# Altium PCB 891-萱250721-1.pcbdoc (part 5 of 5)
Units mil, origin at the board's own origin, x right, y up, seen from the top; angles counter-clockwise.
Board outline 6501 x 4678 mil, 4 copper layers (TopLayer, MidLayer1, MidLayer2, BottomLayer); 362 components, 337 nets, 1348 pads, 1372 vias.
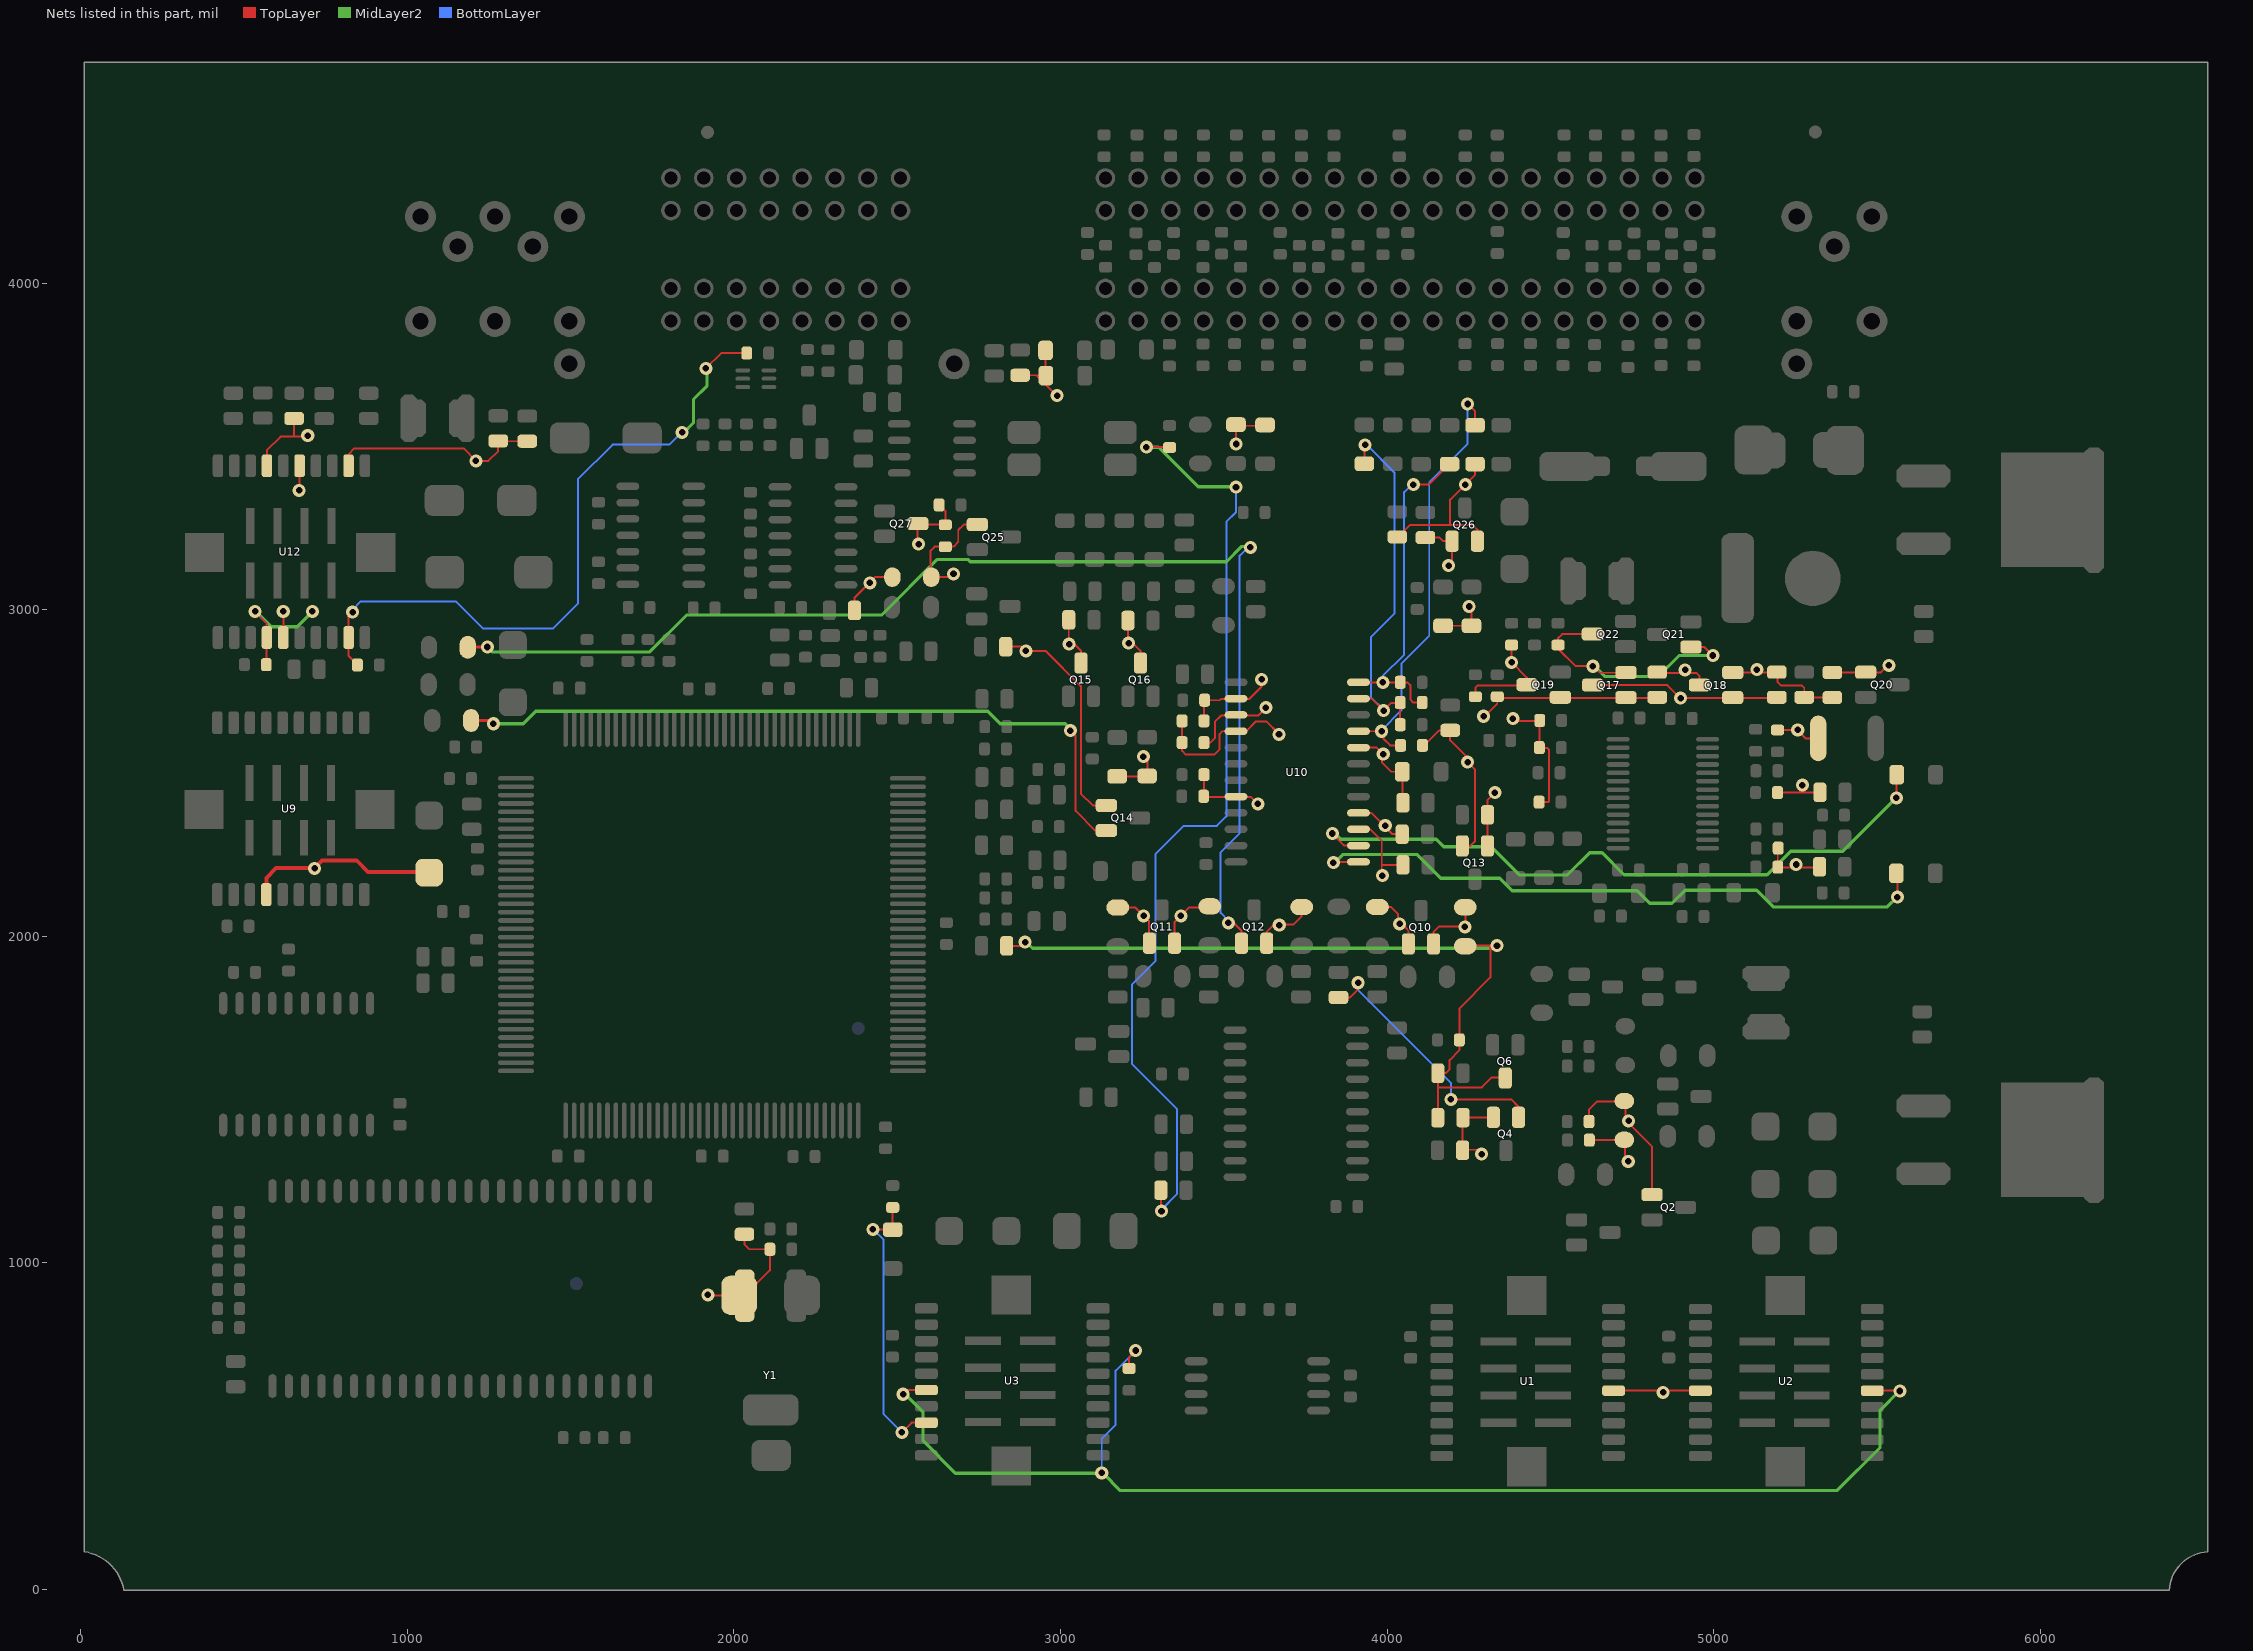
[diagram p7: the nets of this part, all layers, seen from the top]

## Via types
v1: diameter 40, hole 20, TopLayer to BottomLayer, 1372 vias

## Nets (pads, with @x,y where several pads share a name; then routed paths per layer and width w, separated by ;. In a path a pad name is that pad's centre, name@x,y a point inside that pad or via, vN(x,y) a via of type N, cw(c..) or ccw(c..) an arc to the next point about the centre after c; other vN are vias at no path point) (continued)
NewNet238: D5.2 R19.1 | length 178.1
  TopLayer w6: R19.1@4619,1376 4728,1376 4728,1321 v1(4738,1311)
NewNet239: D5.1 Q2.1 R21.1 | length 484
  TopLayer w6: R21.1@4618,1433 4618,1470 4643,1495 4733,1495 4729,1491 4729,1438 4811,1356 Q2.1@4811,1209
  other v1: 4739,1435
NewNet240: D9.2 R83.1 | length 135.9
  TopLayer w6: R83.1@5195,2632 5255.12,2632 5281.24,2605.88 5319.88,2605.88 D9.2@5320,2606
  other v1: 5257.08,2632.13
NewNet241: R9.2 R10.2 Y1.2 | length 402.9
  TopLayer w6: v1(1920,902) 1922,900 Y1.2@2033,900 2110,977 R9.2@2110,1042 2047,1042 2032,1057 R10.2@2032,1088
NewNet242: C74.1 Q26.2 R138.2 | length 519.7
  TopLayer w6: C74.1@4031,3223 4033.57,3223 4070.41,3259.84 4261.87,3259.84 4276,3245.71 Q26.2@4276,3210 ; 4192.91,3259.63 4192.91,3337.55 4269,3413.64 R138.2@4269,3446
  other v1: 4239.16,3383.38
NewNet243: C45.2 R138.1 U10.9 | length 1341.6
  TopLayer w6: U10.9@3912,2628 v1(3983,2628) 3988.33,2622.67 3988.33,2605.88 4009.21,2585 C45.2@4041,2585 ; v1@4246.66,3629.63 4269,3607.29 R138.1@4269,3565
  BottomLayer w6: v1(3983,2628) 3983,2631.8 4043.33,2692.13 4043.33,2835.05 4128.74,2920.46 4128.74,3390.88 4246.24,3508.38 v1(4246.24,3630.05)
NewNet244: C52.1 C59.2 R137.2 U10.12 | length 1030.3
  TopLayer w6: U10.12@3912,2778 4062.04,2778 4070.83,2769.21 4070.83,2725.46 4080.29,2716 C52.1@4107,2716 ; v1(4079.99,3382.96) 4126.66,3382.96 4189.7,3446 R137.2@4191,3446
  BottomLayer w6: v1(3987.08,2777.55) 3987.08,2797.55 4052.08,2862.55 4052.08,3360.05 4074.99,3382.96 v1(4079.99,3382.96)
NewNet245: C48.2 C52.2 R141.2 U10.11 | length 1178.1
  TopLayer w6: U10.11@3912,2728 3952,2728 v1(3989,2691) 3989,2691.55 4012.08,2714.63 4038.63,2714.63 4038.74,2714.52 4038.74,2649.26 C48.2@4040,2648 ; R141.2@3930,3447 3930.41,3447.41 3930.41,3502.55 v1(3932.49,3504.63)
  BottomLayer w6: v1(3932.49,3504.63) 3937.08,3504.63 4022.91,3418.8 4022.91,2989.21 3949.99,2916.3 3949.99,2732.55 3989,2693.54 v1(3989,2691)
NewNet246: R140.1 R143.1 | length 143.9
  TopLayer w6: v1@3537.7,3505.05 3537.7,3556.92 3544.16,3563.38 3623.38,3563.38 R140.1@3626,3566
  other v1: 3537.49,3507.55
NewNet247: C80.1 R148.1 U12.2 | length 651.6
  TopLayer w6: U12.2@820,3441 820,3476 838,3494 1172,3494 v1(1210,3456) 1248,3456 1278,3486 C80.1@1278,3517 ; C80.1@1275,3516 R148.1@1367,3516
NewNet248: C84.1 U12.7 | length 245.6
  TopLayer w6: U12.7@570,3441 570,3488 612,3530 692,3530 v1(695,3533) ; 653,3531 C84.1@653,3586
NewNet249: R98.1 R157.1 U12.19 | length 2087.3
  TopLayer w6: v1(832,2993) 819,2980 819,2860 847,2832 R98.1@847,2831 ; v1(1913.74,3738.8) 1960.95,3786 R157.1@2039,3786
  MidLayer2 w10: v1@1846,3538 1846,3542 1876,3572 1876,3644 1917,3685 v1@1917,3739
  BottomLayer w6: v1(832,2993) 832,2999.97 857.91,3025.88 1147.91,3025.88 1230.83,2942.96 1446.66,2942.96 1522.08,3018.38 1522.08,3399.21 1628.33,3505.46 1801.66,3505.46 1839.58,3543.38 v1(1841.24,3543.38)
NewNet250: D11.2 R113.1 | length 181.8
  TopLayer w6: R113.1@2369,2998 2369,3036.97 2432.91,3100.88 2484.12,3100.88 D11.2@2485,3100
  other v1: 2415.83,3082.13
NewNet251: D11.1 Q25.1 R128.2 | length 350.6
  TopLayer w6: v1(2672.08,3109.63) 2662.91,3100.46 2604.46,3100.46 2602.08,3102.85 2602.08,3181.3 2614.16,3193.38 2672.49,3193.38 2686.66,3207.55 2686.66,3244.21 2703.45,3261 Q25.1@2745,3261
NewNet252: D8.2 U9.14 | length 587.3
  TopLayer w12: U9.14@568,2128 568,2179 598,2209 715,2209 738,2232 845,2232 880,2197 1065,2197 D8.2@1067,2195
  other v1: 716,2208
NewNet253: Q12.1 R102.1 | length 3840.6
  TopLayer w6: v1(3514,2041) 3529.46,2041 3554,2016.46 Q12.1@3554,1979
  TopLayer w10: R102.1@1183.03,2886 v1(1245,2886)
  MidLayer2 w10: v1(1245,2886) 1260,2871 1742,2871 1855,2984 2453,2984 2623,3154 2716,3154 2723,3147 3508,3147 3555,3194 v1@3588,3194
  BottomLayer w6: v1(3514,2041) 3514,2047.71 3489.99,2071.71 3489.99,2257.13 3548.33,2315.46 3548.33,3165.46 3574.16,3191.3 v1(3581.24,3191.3)
NewNet254: Q14.2 R87.1 | length 2258.6
  TopLayer w6: v1(3030,2630) 3045.83,2614.17 3045.83,2384.21 3106.04,2324 Q14.2@3140,2324
  TopLayer w10: R87.1@1195,2661 1253,2661 v1(1263,2651)
  MidLayer2 w10: v1(1263,2651) 1355,2651 1393,2689 2777,2689 2815,2651 3014,2651 v1@3037,2628
NewNet255: C10.1 R7.1 U3.18 | length 880.5
  TopLayer w6: v1(2425,1103) R7.1@2491,1103 ; R7.1@2486,1102 C10.1@2486,1170 ; v1(2514,481) 2544,511 U3.18@2589,511
  BottomLayer w6: v1(2425,1103) 2425.37,1103 2457.91,1070.46 2457.91,537.13 v1(2514,481)
NewNet256: Q17.3 Q18.1 R95.1 | length 581.5
  TopLayer w6: Q17.3@4629,2769.5 4858.04,2769.5 4897.91,2729.63 5190.63,2729.63 R95.1@5193,2732
  other v1: 4898.33,2729.21
NewNet257: C53.1 Q18.2 R93.1 R95.2 | length 380
  TopLayer w6: Q18.2@5058,2808 v1@5123,2808 ; v1(5132,2817) v1@5123,2808 ; C53.1@5277,2732 5277,2760.54 5269.58,2767.96 5206.24,2767.96 5194.58,2779.63 5194.58,2805.42 5192,2808 v1@5123,2808 ; C53.1@5278,2731 R93.1@5363,2731
NewNet258: Q18.3 R94.2 | length 161.8
  TopLayer w6: R94.2@4827,2809 4829.7,2806.3 4947.29,2806.3 4956,2797.58 Q18.3@4956,2769.5
  other v1: 4912,2816
NewNet259: Q27.3 R128.1 R134.2 | length 221.1
  TopLayer w6: v1(2565,3201) 2561.66,3204.34 2561.66,3256.3 2557.49,3260.46 2646.54,3260.46 R128.1@2647,3260 2647,3302 R134.2@2628,3321
NewNet260: Q26.1 R130.1 | length 165.5
  TopLayer w6: R130.1@4117,3221 4160.71,3221 4171.71,3210 Q26.1@4199,3210 4199,3146.14 v1(4188.33,3135.46)
NewNet261: Q17.1 Q19.1 R94.1 R96.1 | length 571.7
  TopLayer w6: v1(4295,2674) 4298.11,2674 4337,2712.89 R96.1@4337,2734 4340.95,2730.05 4825.05,2730.05 R94.1@4827,2732
NewNet262: C54.1 Q19.3 R104.1 | length 330.1
  TopLayer w6: C54.1@4270,2734 4270,2761.3 4277.49,2768.8 4426.3,2768.8 Q19.3@4428,2770.5 4428,2792.46 4381,2839.46 R104.1@4381,2892
  other v1: 4381,2839
NewNet263: Q17.2 Q21.1 Q22.3 R106.1 | length 860.2
  TopLayer w6: Q22.3@4628,2925.5 4535.45,2925.5 4523,2913.05 4523,2881.21 4576.24,2827.96 4629.99,2827.96 4650.83,2807.13 4730.13,2807.13 Q17.2@4731,2808 ; Q21.1@4930,2886 4971,2886 v1(4997,2860)
  MidLayer2 w10: v1@4635,2827 4666,2796 4830,2796 4894,2860 v1(4997,2860)
  other v1: 4630,2827
NewNet264: Q20.1 R93.2 | length 182.1
  TopLayer w6: R93.2@5363,2808 5511.7,2808 5533.7,2830 v1(5536,2830)
NewNet265: Q11.1 R45.1 | length 181
  TopLayer w6: R45.1@3174.99,2088.38 3228.62,2088.38 3270.41,2046.59 3270.41,1980.59 Q11.1@3272,1979
  other v1: 3254,2063
NewNet266: Q11.2 R50.2 | length 192.9
  TopLayer w6: Q11.2@3349,1979 3349,2044 3392.96,2087.96 3452.96,2087.96 R50.2@3457,2092
  other v1: 3368,2063
NewNet267: Q12.2 R47.2 | length 190
  TopLayer w6: Q12.2@3631,1979 3631,2013.55 3653.33,2035.88 3712.49,2035.88 3738,2061.39 R47.2@3738,2090
  other v1: 3669.58,2034.21
NewNet268: Q10.1 R48.2 | length 181.1
  TopLayer w6: R48.2@3970,2090 4010.87,2090 4033.74,2067.13 4033.74,2042.26 4047.62,2028.38 4055.83,2028.38 4065,2019.21 Q10.1@4065,1977
  other v1: 4038,2038
NewNet269: Q10.2 R46.2 | length 200.7
  TopLayer w6: Q10.2@4142,1977 4142,2013.72 4159.16,2030.88 v1@4236.12,2030.88 ; v1(4238,2029) v1@4236.12,2030.88 ; R46.2@4239,2089 4239.99,2088.01 4239.99,2034.75 v1@4236.12,2030.88
NewNet270: Q13.1 R70.1 | length 172.6
  TopLayer w6: Q13.1@4307,2277 4307,2417.05 v1(4329.99,2440.05)
NewNet271: C45.1 C47.2 Q13.2 | length 519.7
  TopLayer w6: C45.1@4108,2585 4112.86,2585 4158.86,2631 C47.2@4193,2631 4193,2599.96 4246.66,2546.3 4246.66,2532.96 4268.33,2511.3 4268.33,2290.46 4254.86,2277 Q13.2@4230,2277
  other v1: 4246.24,2533.38
NewNet272: C17.1 Q6.3 R22.2 R24.2 R44.1 R46.1 | length 2540.3
  TopLayer w6: R44.1@2835,1971 2880.11,1971 v1(2891.24,1982.13) ; R22.2@4155,1440.46 R24.2@4155,1581 4179.28,1581 4190.83,1592.55 4190.83,1621.3 4221,1651.47 4221,1778.97 4316.24,1874.21 4316.24,1969.21 v1@4318.74,1971.71 ; 4154.99,1537.55 4289.58,1537.55 4320.41,1568.38 4359.12,1568.38 Q6.3@4361.5,1566 ; R46.1@4240.71,1971.71 v1(4336.24,1971.71) R46.1@4240.71,1971.71
  MidLayer2 w10: v1@2895,1983 2914,1964 4332,1964 v1@4339,1971
NewNet273: Q4.1 R32.1 | length 814.2
  TopLayer w6: R32.1@3851,1813 3886.28,1813 3911,1837.72 v1(3911,1858) ; v1(4195,1501) 4379.87,1501 4402,1478.87 Q4.1@4402,1446
  BottomLayer w6: v1(3911,1858) 3911,1835.71 4195,1551.71 v1(4195,1501)
NewNet274: Q4.2 R17.1 R22.1 | length 257.8
  TopLayer w6: v1(4289,1333) 4275.29,1346.71 4231.24,1346.71 4230.41,1345.88 4230.41,1443.41 4233,1446 Q4.2@4325,1446
NewNet275: Q15.3 R112.2 | length 156.7
  TopLayer w6: R112.2@3025,2969 3025,2896 3028.87,2892.13 3044.58,2892.13 3062.5,2874.21 Q15.3@3062.5,2837
  other v1: 3026,2895
NewNet276: Q16.3 R111.2 | length 145.9
  TopLayer w6: R111.2@3206,2967 3206,2913.21 3244.5,2874.71 Q16.3@3244.5,2837
  other v1: 3208.33,2897.96
NewNet277: R85.2 U10.15 | length 264
  TopLayer w6: R85.2@3439,2593 3458.78,2593 3472.49,2606.71 3472.49,2657.55 3491.24,2676.3 3604.58,2676.3 v1(3628.74,2700.46)
NewNet278: R85.1 R88.1 U10.16 | length 479.7
  TopLayer w6: R88.1@3372,2660 3372,2568.04 3383.33,2556.71 3469.99,2556.71 3486.66,2573.38 3486.66,2619.21 3495.45,2628 3567.95,2628 3598.33,2658.38 3629.99,2658.38 3668.74,2619.63 v1(3668.74,2618.38)
NewNet279: R73.2 R80.2 U10.20 | length 245.8
  TopLayer w6: R80.2@3439,2495 3439,2423.96 3441.34,2426.3 3535.3,2426.3 3583.33,2426.3 v1(3604.16,2405.46)
NewNet280: R60.1 U10.1 | length 2015.3
  TopLayer w6: v1(3835,2226) 3837,2228 U10.1@3912,2228 ; v1(5562,2120) 5562,2203.3 R60.1@5568.74,2210.05
  MidLayer2 w10: v1@3840,2226 3865,2251 4091,2251 4164,2178 4345,2178 4383,2140 4765,2140 4804,2101 4872,2101 4912,2141 5131,2141 5182,2090 5531,2090 5561,2120 v1(5562,2120)
NewNet281: R76.1 U10.2 | length 2090.6
  TopLayer w6: v1(3832,2315) 3869,2278 U10.2@3912,2278 ; v1(5559,2424) 5559,2494 R76.1@5560,2495
  MidLayer2 w10: v1@3840,2315 3858,2297 4150,2297 4173,2274 4319,2274 4405,2188 4552,2188 4620,2256 4658,2256 4725,2189 5163,2189 5235,2261 5395,2261 v1@5558,2424
NewNet282: R63.2 U10.3 | length 257.5
  TopLayer w6: U10.3@3912,2328 3948.71,2328 3983.33,2293.38 3983.33,2188.38 v1(3985.41,2186.3) ; 3984.16,2219 R63.2@4048,2219
NewNet283: R67.2 U10.4 | length 161
  TopLayer w6: U10.4@3912,2378 3951.21,2378 4016.24,2312.96 4045.96,2312.96 R67.2@4046,2313
  other v1: 3994,2339
NewNet284: R71.2 R79.2 U10.8 | length 277.9
  TopLayer w6: U10.8@3912,2578 3968,2578 3984.16,2561.84 3984.16,2532.13 4012.29,2504 R79.2@4046,2504 4047.49,2502.51 4047.49,2409.51 R71.2@4048,2409
  other v1: 3988,2558
NewNet285: R88.2 R92.2 U10.14 | length 277.3
  TopLayer w6: R88.2@3439,2660 3439,2721 3440.96,2722.96 3486.87,2722.96 3490.41,2726.51 3576.87,2726.51 3615.41,2765.05 v1(3615.41,2786.71)
NewNet286: U12.5 | length 74
  TopLayer w6: v1@670,3367 U12.5@670,3441
  other v1: 668.74,3365.46
NewNet287: 
NewNet288: R99.2 U12.14 | length 391.6
  TopLayer w6: v1(534,2995) 534,2994 568,2960 R99.2@568,2832
  MidLayer2 w10: v1(534,2995) 536,2995 583,2948 663,2948 709,2994 v1(709,2995)
NewNet289: U12.15 | length 80
  TopLayer w6: U12.15@620,2915 v1(620,2995)
NewNet290: 
NewNet291: C2.1 U2.5 U3.16 | length 4060.3
  TopLayer w6: v1(2518,598) 2531,611 U3.16@2589,611 ; C2.1@3210,673 3210,712 v1(3230,732) ; U2.5@5485,609 v1@5569,609
  MidLayer2 w10: v1@2522,598 2524,598 2579,543 2579,455 2678,356 3130,356 3183,303 5377,303 5509,435 5509,549 5568,608 v1(5570,608)
  BottomLayer w6: v1(3126,357) 3126,461.47 3168.74,504.21 3168.74,670.46 v1@3230,731.72
NewNet292: U1.5 U2.16 | length 270.1
  TopLayer w6: U1.5@4693,609 4840,609 v1(4845,604) 4850,609 U2.16@4959,609
NewNet293: C88.2 R150.1 R156.1 | length 250.6
  TopLayer w6: C88.2@2876,3718 2925.37,3718 ; R156.1@2954,3794 2954,3718 2945.63,3709.63 2937.26,3718 2925.37,3718 ; v1(2989.16,3655.46) 2987.91,3655.46 2925.37,3718
NewNet294: R109.1 R110.1 | length 165.7
  TopLayer w6: R109.1@4171,2951 4269.87,2951 4258.33,2962.55 4258.33,3002.67 v1(4251,3010)
NewNet295: R77.2 R78.2 | length 157.5
  TopLayer w6: R77.2@3173,2490 R78.2@3265.87,2490 ; v1(3253.33,2550.46) 3265.41,2538.38 3265.41,2491.41 R78.2@3265,2491
NewNet296: C79.1 R14.1 | length 2944.9
  TopLayer w6: v1(3262.49,3497.96) 3333.04,3497.96 C79.1@3334,3497 ; R14.1@3307,1223 3307,1161 v1(3309,1159)
  MidLayer2 w10: v1@3267,3498 3300,3498 3421,3377 v1@3541,3377
  BottomLayer w6: v1(3309,1159) 3309,1163.22 3356.24,1210.46 3356.24,1471.71 3219.16,1608.8 3219.16,1853.38 3289.99,1924.21 3289.99,2251.71 3376.66,2338.38 3478.33,2338.38 3507.49,2367.55 3507.49,3268.8 3537.08,3298.38 v1(3537.08,3375.46)
NewNet297: R74.2 R75.1 | length 146.5
  TopLayer w6: R75.1@5195,2440 5324,2440 R74.2@5325,2441
  TopLayer w20: v1@5271,2446.96 v1(5271,2463)
NewNet298: C29.2 R64.1 R66.1 | length 187.6
  TopLayer w6: R66.1@5197,2270 5195.83,2268.83 5195.83,2212.17 5196.7,2211.3 5322.3,2211.3 C29.2@5324,2213
  other v1: 5252,2220
NewNet299: Q14.1 R103.1 | length 701.8
  TopLayer w6: R103.1@2832,2887 2881,2887 2893.79,2874.21 2953.74,2874.21 3062.08,2765.88 3062.08,2437.34 3098.42,2401 Q14.1@3140,2401
  other v1: 2894,2874
NewNet300: C37.2 C43.2 C49.2 | length 381.1
  TopLayer w6: v1(4385,2667) 4392.37,2659.63 4462.91,2659.63 4466.24,2656.3 4466.24,2584.63 4474.16,2576.71 4489.99,2576.71 4495.41,2571.3 4495.41,2413.8 4492.61,2411 C37.2@4465,2411
U4-1: 
U4-2: 
U4-3: 
U4-4: 
U4-5: 
U4-6: 
U4-7: 
U4-9: 
U4-10: 
U4-12: 
U4-15: 
U4-16: 
U4-17: 
U4-18: 
U4-21: 
U4-22: 
U4-23: 
U4-24: 
U4-25: 
U4-26: 
U4-27: 
U4-28: 
U5-2: 
U5-4: 
U7-2: 
U7-3: 
U7-7: 
U7-11: 
U8-2: 
VCC: 
VCC1: 
VCC3: 
VCC4: 
pads on no net: J2.1 J2.2 J2.3 J2.4 J2.5 J2.6 J2.7 J2.8 J2.16 J2.18 J2.19 J2.28 J2.29 J2.30 J2.31 J2.32 J2.33 J2.34 J2.35 J2.46 J2.47 J2.55 J2.56 J2.57 J2.58 J2.59 J2.60 J2.61 J2.62 J2.82 J2.83 J2.84 J2.85 J2.86 J2.87 J2.88 J2.89 J2.111 J2.115 J2.116 J2.117 J2.118 J2.119 J2.120 J2.121 J2.122 J2.123 J2.124 Q1.2 Q6.1 Q8.2 Q19.2 Q20.2 Q22.2 Q23.2 U1.3 U1.18 U2.3 U2.18 U3.3 U4.1 U4.5 U4.6 U4.7 U4.8 U5.3 U5.4 U6.5 U6.6 U7.79 U8.12 U8.17 U14.11 U14.12 U14.13

## Polygon pours and split planes (outlines as drawn)
no net on TopSolder "1" (hatched 90Degree grid 8 track 8, remove dead copper): 87,4610 87,4639 362,4639 362,4272 281,4191 281,428 316,393 654,393 790,257 5731,257 5862,388 6160,388 6243,471 6243,4189 6157,4275 6157,4635 6470,4635 6470,184 6321,35 191,35 45,181 45,4639 87,4639
no net on BottomSolder "1" (hatched 90Degree grid 8 track 8, remove dead copper): 104,4612 104,4641 372,4641 372,4298 300,4226 300,478 388,390 642,390 782,250 5715,250 5858,393 6126,393 6215,482 6215,4214 6150,4279 6150,4444 6144,4450 6144,4636 6472,4636 6472,190 6324,42 175,42 48,169 48,4641 104,4641
NewNet22 on MidLayer1 "3" (hatched 90Degree grid 8 track 8, remove dead copper, pour order 4): -117.09,4771.71 6596.24,4771.71 6596.24,-34.95 -118.76,-34.95 -118.76,4766.71
NewNet22 on MidLayer2 "4" (hatched 90Degree grid 8 track 8, remove dead copper, pour order 6): -90.42,4735.05 -90.42,-81.62 6622.91,-81.62 6622.91,4685.05 -90.42,4685.05
NewNet59 on TopLayer "1" (hatched 90Degree grid 8 track 8, remove dead copper, pour order 8): 5889.58,2270.88 5889.58,2319.21 6193.74,2319.21 6193.74,488.38 6136.24,430.88 5763.74,430.88 5734.58,460.05 5734.58,1202.55 5767.08,1235.05 5767.08,1314.63 5734.58,1347.13 5734.58,1407.13 5762.49,1435.05 5762.49,1523.38 5737.08,1548.8 5737.08,2293.38 5762.7,2319.01 5889.58,2319.01
NewNet57 on TopLayer "1" (hatched 90Degree grid 8 track 8, remove dead copper, pour order 10): 5897.91,4215.88 5927.91,4245.88 6118.74,4245.88 6196.24,4168.38 6196.24,2366.71 5761.24,2366.71 5737.08,2390.88 5737.08,3127.55 5768.74,3159.21 5768.74,3239.21 5740.41,3267.55 5740.41,3337.55 5768.74,3365.88 5768.74,3451.71 5738.74,3481.71 5738.74,3983.38 5791.24,4035.88 5791.24,4152.55 5737.91,4205.88 5737.91,4221.51 5762.49,4246.09 5928.02,4246.09
NewNet40 on TopLayer "1" (hatched 90Degree grid 8 track 8, remove dead copper, pour order 12): 2850.41,3288.38 2850.41,3316.71 2922.49,3316.71 2929.16,3310.05 2929.16,3139.21 2918.74,3128.8 2823.33,3128.8 2817.49,3134.63 2817.49,3307.13 2827.29,3316.92 2850.2,3316.92
NewNet47 on TopLayer "1" (hatched 90Degree grid 8 track 8, remove dead copper, pour order 14): 4906.66,1249.63 4923.74,1266.71 4985.41,1266.71 4992.91,1259.21 4992.91,1082.55 4985.41,1075.05 4895.41,1075.05 4881.24,1089.21 4881.24,1254.21 4893.74,1266.71 4923.74,1266.71
NewNet22 on TopLayer "5" (hatched 90Degree grid 8 track 8, remove dead copper, pour order 16): -73.76,4728.38 -73.76,-81.62 6542.91,-81.62 6542.91,4730.05 -72.09,4730.05
NewNet46 on TopLayer "1" (hatched 90Degree grid 8 track 8, remove dead copper, pour order 18): 4919.58,1923.38 4935.83,1939.63 4984.99,1939.63 4993.33,1931.3 4993.33,1759.21 4985.41,1751.3 4894.16,1751.3 4882.08,1763.38 4882.08,1930.05 4891.66,1939.63 4936.24,1939.63
NewNet22 on TopLayer "1" (hatched 90Degree grid 8 track 8, remove dead copper, pour order 20): 391.24,2535.05 883.43,2535.05 993.58,2424.9 993.58,2314.88 936.24,2257.55 710.41,2257.55 688.74,2235.88 422.91,2235.88 360.41,2298.38 360.41,2511.71 388.74,2540.05
NewNet22 on TopLayer "1" (hatched 90Degree grid 8 track 8, remove dead copper, pour order 22): 2666.24,763.38 2666.24,521.71 2790.41,397.55 2922.91,397.55 2999,473.64 2999,589.79 2829.08,759.71 2668.5,759.71
NewNet22 on TopLayer "1" (hatched 90Degree grid 8 track 8, remove dead copper, pour order 24): 4315.41,988.38 4479.58,988.38 4578.74,889.21 4578.74,307.55 4511.24,240.05 4334.58,240.05 4312.91,261.71 4312.91,450.8 4235.41,528.3 4235.41,780.05 4315.41,860.05 4315.41,992.55
NewNet22 on TopLayer "1" (hatched 90Degree grid 8 track 8, remove dead copper, pour order 26): 5107.08,985.88 5322.91,985.88 5369,939.79 5369,306.14 5297.91,235.05 5162.91,235.05 5088.74,309.21 5088.74,470.05 5068.74,490.05 5068.74,946.71 5108.74,986.71
NewNet22 on TopLayer "1" (hatched 90Degree grid 8 track 8, remove dead copper, pour order 30): 320.41,3264.21 320.41,3120.88 411.24,3030.05 794.62,3030.05 873.74,3109.17 873.74,3202.97 817.5,3259.21 311.24,3259.21
NewNet22 on BottomLayer "6" (hatched 90Degree grid 8 track 8, remove dead copper, pour order 28): -143.76,4858.38 6602.91,4858.38 6602.91,-34.95 -123.76,-34.95 -123.76,4871.71

## Keep-outs
TopLayer:
  circle w1: c5311,4463 r78.13
  circle w1: c2822.08,4395.05 r108.68
  circle w1: c1919,4462 r80.57
BottomLayer:
  circle w1: c2824.58,4398.38 r111.8
KeepOutLayer:
  circle w5: c834.19,395 r80
  circle w5: c6178.16,154 r70
  circle w5: c338.16,154 r70
  circle w5: c6361.16,4523 r70
  circle w5: c169.16,4523 r70
  lines w5: 11,115.79 cw(c-10.09,-26.92) 132,-2 6394.21,-2 cw(c6520.5,-10.5) 6512,115.79 6512,4676 11,4676 11,115.79

## Other copper
TopLayer:
  region net NewNet22: 1129.58,3273.5 1129.58,3407.55 1102.91,3407.55 1102.91,3273.5
  region net NewNet22: 4712.91,3072.55 4712.91,3105.88 4642.08,3105.88 4642.08,3072.55
  rectangle net NewNet22: 878.74,2267.55 1001.24,2324.21
  rectangle net NewNet22: 410.41,2273.38 899.58,2523.38
  rectangle net NewNet22: 2866.24,786.71 2954.58,983.38
  rectangle net NewNet22: 2712.91,315.05 2977.91,836.71
  rectangle net NewNet22: 5641.24,283.38 5677.91,598.38
  rectangle net NewNet22: 5619.58,573.38 5682.91,1143.38
  rectangle net NewNet22: 5096.24,351.71 5352.91,928.38
  rectangle net NewNet22: 5097,1501 5208,1621
  rectangle net NewNet22: 6221.24,4251.71 6346.24,4351.71
  rectangle net NewNet22: 6189.58,4330.05 6242.91,4615.05
  rectangle net NewNet22: 5892.91,4606.71 6225.41,4628.38
  rectangle net NewNet22: 157.91,3986.71 534.58,4130.05
  rectangle net NewNet22: 424.58,3720.05 561.24,4586.71
  rectangle net NewNet22: 2172.91,4436.71 2517.91,4590.05
  rectangle net NewNet22: 401.24,4571.71 5892.91,4628.38
  rectangle net NewNet22: 5694.58,306.71 6344.58,353.38
  rectangle net NewNet22: 6259.58,291 6434,4318.38
  rectangle net NewNet22: 5581.24,170.05 5747.91,356.71
  rectangle net NewNet22: 572.91,56.71 5982.91,208.38
  rectangle net NewNet22: 317.91,378.38 636.24,495.05
  rectangle net NewNet22: 172.91,378.38 354.58,1068.38
  rectangle net NewNet22: 59.58,241.71 217.91,4338.38
  rectangle net NewNet22: 1037.91,116.71 1699.58,321.71
  rectangle net NewNet22: 4462.91,308.38 4624.58,425.05
  rectangle net NewNet22: 4322.91,391.71 4567.91,908.38
  rectangle net NewNet22: 302.91,3056.71 937.91,3308.38
  rectangle net NewNet22: 256.24,3025 982.91,3331.71
  rectangle net NewNet22: 304.58,2243.38 691.24,2486.71
  rectangle net NewNet22: 810,2314 961.58,2459
  rectangle net NewNet22: 925.41,2290 998,2445.05
  rectangle net NewNet22: 259,2279.71 490.5,2495.71
  rectangle net NewNet22: 2684.58,500.05 2989.58,794.21
  rectangle net NewNet22: 2750.41,750.88 2946.24,990.05
  rectangle net NewNet22: 2705.58,242.55 2975.41,539.5
  rectangle net NewNet22: 1092.08,3567.71 1219,3602.55
  rectangle net NewNet22: 1101.24,3025.88 1131.24,3206.71
  rectangle net NewNet22: 1000.41,3102.55 1203.74,3131.71
  rectangle net NewNet22: 5497.91,1257.55 5620.41,1286.71
  rectangle net NewNet22: 5545.5,3185.88 5611.66,3215.71
  rectangle net NewNet22: 1164.58,3607.55 1194.16,3730.05
  rectangle net NewNet22: 5034.58,1700.05 5118.74,1717.55
  rectangle net NewNet22: 5144.58,1645.88 5172.91,1791.71
  rectangle net NewNet22: 5580.41,2950.27 5681.58,2965.05
  pour cut-out: 557.08,627.55 557.08,571.53 1569.58,571.53 1569.58,629.21 586,629.21 586,622
  pour cut-out: 2725.83,2781.71 2725.83,2624.21 2716.66,2615.05 2659.99,2615.05 2659.99,2606.71 2676.24,2590.46 2738.33,2590.46 2761.66,2613.8 2761.66,2692.75 2764.99,2696.09 2739.99,2721.09 2739.99,2745.05
  pour cut-out: 5517.91,3974.21 5562.08,3930.05 5562.08,3840.05 5510.41,3788.38 5443.74,3788.38 5392.91,3839.21 5392.91,3924.21 5442.91,3974.21
  pour cut-out: 5592.08,4210.88 5693.74,4210.88 5757.08,4147.55 5757.08,4041.71 5693.74,3978.38 5586.24,3978.38 5546.24,4018.38 5546.24,4165.05
  pour cut-out: 5722.91,4502.55 5803.74,4502.55 5857.08,4449.21 5857.08,4366.71 5800.41,4310.05 5722.08,4310.05 5661.24,4370.88 5661.24,4445.05 5720.41,4504.21
  pour cut-out: 5985.41,4490.05 6102.08,4490.05 6147.91,4444.21 6147.91,4331.71 6107.91,4291.71 5970.41,4291.71 5937.08,4325.05 5937.08,4443.38 5984.58,4490.88
  pour cut-out: 5977.49,4599.21 6106.24,4599.21 6106.24,4503.38 5978.33,4503.38 5978.33,4599.63
  pour cut-out: 774.58,499.21 885.41,499.21 933.74,450.88 933.74,331.71 886.24,284.21 772.08,284.21 722.91,333.38 722.91,447.55
  pour cut-out: 816.24,4195.05 902.08,4195.05 963.74,4133.38 963.74,4045.88 907.91,3990.05 815.41,3990.05 757.91,4047.55 757.91,4139.21 816.24,4197.55
  pour cut-out: 945.41,4459.21 1087.08,4459.21 1087.08,4330.88 901.24,4330.88 901.24,4460.05 941.24,4460.05
  pour cut-out: 5344.16,3198.8 5407.08,3135.88 5407.08,3047.96 5355.83,2996.71 5254.99,2996.71 5196.24,3055.46 5196.24,3136.3 5258.74,3198.8
  pour cut-out: 727.91,1272.55 1688.74,1272.55 1826.24,1410.05 2309.58,1410.05 2317.08,1402.55 2277.08,1362.55 2249.58,1362.55 2248,1360.97 2248,1344 2253.21,1349.21 2301.24,1349.21 2310.83,1339.63 2310.83,1326.71 2340.41,1297.13 2340.41,1249.21 2325.6,1234.4 2237.27,1234.4 2164.58,1161.71 2164.58,1023.38 2193.74,994.21 2264.58,994.21 2279.58,979.21 2279.58,819.21 2256.24,795.88 1884.58,795.88 1871.24,782.55 1871.24,310.05 1888.74,292.55 2344.58,292.55 2363.74,311.71 2363.74,1317.96 2319.04,1362.67 2283.62,1362.67 2271.24,1375.05 2271.24,1395.88 2286.66,1411.3 2309.16,1411.3 2390.41,1330.05 2390.41,293.38 2359.58,262.55 1867.91,262.55 1838.74,291.71 1838.74,1186.71 1824.58,1200.88 1227.91,1200.88 1197.91,1170.88 760.41,1170.88 727.91,1203.38
  pour cut-out: 1461.66,621.3 1461.66,594.21 1454.58,587.13 1454.99,586.71 1454.99,460.01 1493,422 1494.8,423.8 1718.33,423.8 1805.83,511.3 1805.83,570.88 1797.41,579.3 1780.7,579.3 1722.45,637.55 1477.08,637.55 1477.08,636.71
  pour cut-out: 2497.08,775.88 2497.08,737.96 2536.66,698.38 2572.08,698.38 2597.49,723.8 2597.49,761.71 2568.74,790.46 2509.99,790.46 2495.41,775.88
  pour cut-out: 3363.68,711.71 3363.68,553.44 3387.49,529.63 3446.7,529.63 3463.77,546.7 3463.77,695.02 3447.08,711.71
  pour cut-out: 3743.33,562.13 3771.66,533.8 3810.48,533.8 3835,558.32 3835,684.21 3814.99,704.21 3743.33,704.21
  pour cut-out: 4475.41,1918.38 4850.41,1918.38 4871.24,1897.55 4871.24,1751.71 4882.91,1740.05 4988.66,1740.05 5000.33,1751.71 5002.32,1751.71 5008.74,1745.29 5008.74,1561.71 5037.91,1532.55 5037.91,1483.4 5012.22,1457.71 5012.22,1267.02 5011.91,1266.71 4997.56,1266.71 4989.23,1275.05 4887.08,1275.05 4867.08,1255.05 4867.08,1085.05 4887.91,1064.21 4967.91,1064.21 4989.58,1042.55 4989.58,1035.88 4949.58,995.88 4568.74,995.88 4528.59,1036.03 4528.59,1123.23 4559.36,1154 4591.86,1154 4634.58,1196.71 4634.58,1315.88 4549.79,1400.67 4549.79,1629.01 4591.24,1670.46 4591.24,1749.82 4545.58,1795.49 4545.58,1819.46 4476.24,1888.8 4476.24,1917.96
  pour cut-out: 3175.41,2114.21 3147.5,2114.21 3126.24,2092.96 3126.24,1810.88 3129.58,1807.55 3129.58,1639.21 3155.41,1613.38 3315.41,1613.38 3334.58,1632.55 3372.91,1632.55 3490.41,1515.05 3490.41,1443.38 3462.08,1415.05 3305.04,1415.05 3271.47,1381.47 3271.47,1163.99 3302.91,1132.55 3318.74,1132.55 3418.7,1232.5 3607.03,1232.5 3663.66,1289.13 3663.66,1467.63 3641.58,1489.71 3641.58,1637.21 3558.74,1720.05 3498.74,1720.05 3481.74,1703.04 3481.74,1686.38 3438.74,1643.38 3327.91,1643.38 3327.91,1795.05 3473.97,1941.11 3686.89,1941.11 3696.31,1931.69 3696.31,1824.57 3774.16,1746.71 3812.08,1746.71 3854.58,1704.21 3854.58,1282.55 3881.24,1255.88 3936.24,1255.88 3959.58,1279.21 3959.58,1579.21 3994.58,1614.21 4044.58,1614.21 4074.58,1644.21 4074.58,1699.63 4105.83,1730.88 4105.83,1747.33 4079.16,1774 4079.16,1902.13 4114.16,1937.13 4246.9,1937.13 4292.01,1982.24 4292.01,2135.34 4300.38,2143.71 4587.41,2143.71 4717.91,2274.21 4717.91,2663.38 4530.41,2850.88 4392.42,2850.88 4353.74,2812.2 4353.74,2799.21 4282.08,2727.55 4282.08,2666.71 4311.16,2637.63 4337.94,2637.63 4368.02,2607.55 4368.02,2621.82 4399.58,2653.38 4461.24,2653.38 4487.91,2626.71 4487.91,2433.91 4482.11,2439.71 4328.24,2439.71 4160.41,2607.55 4088.35,2607.55 4099.18,2618.38 4097.91,2618.38 4063.98,2652.31 4063.98,2705.28 3991.27,2778 3866.25,2652.98 3866.25,2210.04 3895.41,2180.88 3895.41,2147.55 3924.59,2118.37 3924.59,2083.39 3924.58,2083.38 3750.06,2083.38 3705.16,2128.27 3314.47,2128.27 3268.74,2082.55 3247.08,2082.55 3217.08,2112.55 3177.91,2112.55
  pour cut-out: 1532,2273 1553.6,2251.4 1553.6,2055.73 1467.08,1969.21 1467.08,1904.21 1432.08,1869.21 1358.33,1869.21 1332.49,1895.05 1332.49,2242.13 1363.36,2273
  pour cut-out: 1202.91,2902.55 1228,2877.46 1228,2772.64 1170.41,2715.05 1120.95,2715.05 1045.41,2790.59 1045.41,2866.71 1081.24,2902.55
  pour cut-out: 1552.08,2871.71 1729.99,2871.71 1808.33,2793.38 1808.33,2765.88 1793.74,2765.88 1722.49,2694.63 1581.66,2694.63 1550.83,2725.46 1550.83,2871.3
  pour cut-out: 1444.16,3154.63 1444.16,3080.46 1485.83,3038.8 1500.83,3038.8 1519.58,3057.55 1714.18,3057.55 1724.64,3068.01 1724.64,3363.32 1682.49,3405.46 1572.08,3405.46 1552.33,3385.72 1552.33,3219.47 1440.41,3107.55 1440.41,3095.05
  pour cut-out: 1874.58,3641.71 1827.49,3641.71 1749.58,3563.8 1749.58,3485.05 1787.91,3446.71 1861.24,3446.71 1889.58,3418.38 1889.58,3350.88 1827.71,3289.01 1827.71,3056.61 1885.94,2998.38 2127.51,2998.38 2186.24,3057.11 2186.24,3299.21 2070.67,3414.79 2070.67,3606.04 2034.16,3642.55 1872.08,3642.55
  pour cut-out: 2185.41,3416.71 2185.41,3385.46 2211.16,3359.71 2281.99,3359.71 2304.58,3337.13 2304.58,3160.86 2249.58,3105.86 2249.58,3091.71 2264.58,3076.71 2470.41,3076.71 2488.74,3058.38 2520.83,3058.38 2630.41,2948.8 2635.83,2948.8 2764.99,2819.63 2764.99,2572.55 2861.66,2669.21 2861.66,2751.3 2900.41,2790.05 3027.08,2790.05 3084.58,2732.55 3084.58,2385.05 3149.58,2320.05 3159.58,2320.05 3191.5,2351.97 3191.5,2436.14 3206.24,2450.88 3610.41,2450.88 3572.91,2488.38 3572.91,2632.96 3649.58,2709.63 3649.58,2771.71 3648.74,2770.88 3488.88,2770.88 3463,2745 3417.96,2745 3394.58,2768.38 3394.58,2848.58 3524.38,2978.38 3629.58,2978.38 3648.74,2997.55 3648.74,3590.88 3617.08,3622.55 3459.58,3622.55 3401.03,3564 3301.46,3564 3278.74,3586.71 3278.74,3741.3 3264.16,3755.88 3244.99,3755.88 3208.33,3719.21 3125.83,3719.21 3073,3772.04 3073,3817.87 3050.41,3840.46 2975.41,3840.46 2955,3820.05 2955,3747.55 2801.61,3594.16 2693.69,3594.16 2663.74,3564.21 2663.74,3414.21 2729.88,3348.08 2784.28,3348.08 2836.18,3399.98 2956.18,3399.98 2977.58,3421.38 2977.58,3555.55 2986.41,3546.71 2986.41,3544.88 3097.91,3433.38 3266.24,3433.38 3376.24,3323.38 3376.24,3186.71 3336.24,3146.71 3086.24,3146.71 3039.58,3193.38 2959.49,3193.38 2952.16,3200.71 2952.16,3310.05 2924.44,3337.77 2821.47,3337.77 2780.83,3297.13 2780.83,3247.55 2785.41,3242.96 2789.99,3242.96 2807.91,3260.88 2807.91,3322.19 2812.85,3327.13 2920.74,3327.13 2940.41,3307.46 2940.41,3132.63 2925.33,3117.55 2756.24,3117.55 2651.24,3222.55 2652.91,3224.21 2652.91,3318.09 2609.58,3361.42 2609.58,3392.54 2561.58,3440.54 2561.58,3538.71 2563.74,3540.88 2563.74,3556.71 2534.58,3585.88 2492.08,3585.88 2461.45,3555.25 2461.45,3403.49 2433.96,3376 2305.29,3376 2264.58,3416.71
  pour cut-out: 3921.58,3607.5 4199.52,3607.5 4223.73,3631.71 4355.17,3631.71 4382.08,3604.81 4382.08,3422.55 4256.24,3296.71 4256.24,3073.38 4123.74,2940.88 4082.08,2940.88 4057.58,2965.38 4057.58,3172.05 4039.58,3190.05 4039.58,3405.05 3921.58,3523.05
  pour cut-out: 4860.41,2103.38 4860.41,2062.55 4907.24,2015.71 5050.24,2015.71 5061.24,2026.71 5061.24,2077.55 4939.58,2199.21 4939.58,2281.71 4967.91,2253.38 5004.83,2253.38 5061.5,2196.71 5089.58,2196.71 5197.91,2088.38 5343.55,2088.38 5363,2107.83 5363,2367.64 5388.74,2393.38 5388.74,2513.38 5262.08,2640.05 5222.77,2640.05 4886.24,2303.52 4886.24,2040.88 4910.41,2016.71
  pour cut-out: 5160.02,3975.71 5335.58,3975.71 5342.08,3969.21 5342.08,3667.55 5338.74,3664.21 5226.24,3664.21 5121.24,3559.21 5121.24,3210.05 5051.24,3140.05 4982.91,3140.05 4906.24,3216.71 4906.24,3530.05 5109.58,3733.38 5109.58,3770.05 5160.02,3820.49
  pour cut-out: 5635.41,4195.05 5665.41,4165.05 5671.58,4165.05 5691.24,4184.71 5691.24,4251.08 5730.21,4290.05 6139.58,4290.05 6242.08,4187.55 6242.08,470.88 6159.58,388.38 5739.58,388.38 5690.41,437.55 5690.41,1224.59 5634.95,1280.05 5582.91,1280.05 5520.41,1342.55 5520.41,1405.34 5617.62,1502.55 5694.58,1502.55 5691.24,1505.88 5691.24,2125.05 5686.24,2120.05 5645.26,2120.05 5607.91,2157.39 5607.91,2228.38 5643.24,2263.71 5693.24,2263.71 5693.74,2264.21 5693.74,2424 5648.87,2424 5615.41,2457.46 5615.41,2535.88 5643.74,2564.21 5686.58,2564.21 5693.74,2571.38 5693.74,3162.55 5672.08,3184.21 5589.58,3184.21 5577.08,3196.71 5577.08,3220.88 5510.41,3287.55 5510.41,3365.88 5554.58,3410.05 5656.24,3410.05 5692.91,3446.71 5692.91,3986.71 5626.24,4053.38 5626.24,4125.05 5757.91,4256.71 6115.41,4256.71 6207.08,4165.05 6207.08,2371.71 6191.24,2355.88 5748.74,2355.88 5737.58,2344.71 5737.58,2329.55 5739.74,2331.71 6196.74,2331.71 6203.74,2324.71 6203.74,490.05 6144.58,430.88 5760.41,430.88 5722.08,469.21 5722.08,1214.21 5751.24,1243.38 5751.24,1314.21 5726.63,1338.82 5726.63,1419.85 5752.49,1445.71 5752.49,1521.3 5725.41,1548.38 5725.41,2294.21 5778.33,2347.13 5774.58,2347.13 5726.66,2395.05 5726.66,3133.63 5756.66,3163.63 5756.66,3230.13 5737.08,3249.71 5737.08,3344.05 5754.58,3361.55 5754.58,3465.88 5727.49,3492.96 5727.49,3991.96 5784.08,4048.55 5784.08,4138.55 5726.74,4195.88 5644.58,4195.88
  pour cut-out: 5529.58,699.63 5563.11,699.63 5601.58,661.16 5601.58,500.8 5559.78,459 5537.71,459 5498.74,497.96 5498.74,671.3 5528.74,701.3
  pour cut-out: 4621.24,849.63 4671.24,849.63 4724.99,795.88 4724.99,771.3 4694.99,741.3 4654.16,741.3 4618.74,776.71 4618.74,849.63 4620.41,851.3
  pour cut-out: 759.99,2183.38 783.74,2159.63 872.08,2159.63 880,2167.55 880,2182.54 857.08,2205.46 783.33,2205.46 761.66,2183.8
  pour cut-out: 544.58,2933.8 470.41,2933.8 435.83,2899.21 435.83,2837.68 451.8,2821.71 525.83,2821.71 558.33,2854.21 558.33,2916.3 541.66,2932.96
  pour cut-out: 718.74,4504.21 806.49,4504.21 cw(c806.49,4404.21) 877.2,4474.92 cw(c825.19,4422.91) 898.74,4422.91 898.74,4399.8 cw(c798.74,4399.8) 869.45,4329.09 cw(c811.41,4387.14) 811.41,4305.05 736,4305.05 cw(c736,4405.05) 665.29,4334.34 cw(c729.37,4398.42) 638.74,4398.42 638.74,4410.29 cw(c738.74,4410.29) 668.03,4481 670.72,4483.69 cw(c716.24,4438.17) 716.24,4502.55
  text "top" at 6079,4562 h40 r180
  text "2" at 940,4429 h100 r270
MidLayer1:
  pour cut-out: 5167.08,3973.38 5352.08,3973.38 5352.08,3666.71 5167.7,3666.71 5167.7,3973.17
  pour cut-out: 5724.58,4495.88 5799.58,4495.88 5856.24,4439.21 5856.24,4359.63 5804.58,4307.96 5717.49,4307.96 5667.91,4357.55 5667.91,4440.88 5723.74,4496.71
  pour cut-out: 5620.41,4196.71 5711.24,4196.71 5767.91,4140.05 5767.91,4045.88 5708.74,3986.71 5613.74,3986.71 5559.58,4040.88 5559.58,4136.71 5620.41,4197.55
  pour cut-out: 5992.08,4576.71 6089.99,4576.71 6089.99,4502.13 5991.66,4502.13 5991.66,4576.3
  pour cut-out: 6099.99,4487.96 6147.49,4440.46 6147.49,4325.46 6097.91,4275.88 5983.33,4275.88 5933.74,4325.46 5933.74,4436.3 5985.41,4487.96
  pour cut-out: 812.91,4200.88 913.74,4200.88 964.58,4150.05 964.58,4053.38 904.58,3993.38 812.08,3993.38 754.58,4050.88 754.58,4143.38 812.91,4201.71
  pour cut-out: 777.91,503.38 888.74,503.38 939.58,452.55 939.58,332.55 891.24,284.21 769.58,284.21 720.41,333.38 720.41,447.55 775.41,502.55
  pour cut-out: 5559.99,1434.63 5604.16,1434.63 5638.33,1400.46 5638.33,1348.8 5607.91,1318.38 5560.83,1318.38 5525.83,1353.38 5525.83,1401.71 5559.16,1435.05
  pour cut-out: 5683.33,1434.21 5729.99,1434.21 5763.33,1400.88 5763.33,1351.3 5729.58,1317.55 5682.49,1317.55 5646.66,1353.38 5646.66,1397.55 5682.91,1433.8
  pour cut-out: 5562.99,3368.63 5607.16,3368.63 5641.33,3334.46 5641.33,3282.8 5610.91,3252.38 5563.83,3252.38 5528.83,3287.38 5528.83,3335.71 5562.16,3369.05
  pour cut-out: 5686.99,3369.63 5731.16,3369.63 5765.33,3335.46 5765.33,3283.8 5734.91,3253.38 5687.83,3253.38 5652.83,3288.38 5652.83,3336.71 5686.16,3370.05
  pour cut-out: 5450.41,3966.71 5517.08,3966.71 5565.41,3918.38 5565.41,3848.38 5515.41,3798.38 5448.74,3798.38 5397.08,3850.05 5397.08,3915.05 5447.91,3965.88
  pour cut-out: 724.58,4508.38 801.49,4508.38 cw(c801.49,4408.38) 872.2,4479.09 cw(c812.14,4419.03) 897.08,4419.03 897.08,4401.47 cw(c797.08,4401.47) 867.79,4330.76 865.41,4328.38 cw(c819.14,4374.65) 819.14,4309.21 719.58,4309.21 cw(c719.58,4371.58) 675.48,4327.48 653.74,4349.21 cw(c693.98,4389.45) 637.08,4389.45 637.08,4423.38 cw(c703.47,4423.38) 656.52,4470.33 686.24,4500.05 cw(c708.37,4477.92) 708.37,4509.21 726.24,4509.21
  text "i1" at 6060.2,4560.46 h40 r180
MidLayer2:
  rectangle net NewNet73: 1789.79,2713.38 1821.87,2741.51
  rectangle net NewNet73: 1978.54,3011.92 2012.08,3033.17
  pour cut-out: 5240.41,2278.38 5277.08,2278.38 5296.24,2259.21 5296.24,2096.67 5265.58,2066 5228.2,2103.38 5204.58,2103.38 5204.58,2147.42 5154,2198 5154,2213
  pour cut-out: 5246.24,3813.38 5485.41,3813.38 5795.41,3503.38 5795.41,3270.88 5744.58,3220.05 5554.58,3220.05 5497.91,3276.71 5497.91,3337.55 5544.58,3384.21 5620.41,3384.21 5632.08,3395.88 5632.08,3425.88 5281.24,3776.71 5257.91,3776.71
  pour cut-out: 5522.91,3958.38 5706.24,3958.38 6124.58,3540.05 6124.58,1652.55 5750.41,1278.38 5541.24,1278.38 5492.08,1327.55 5492.08,1413.38 5548.74,1470.05 5668.74,1470.05 5938.74,1740.05 5938.74,3456.71 5606.24,3789.21 5403.74,3789.21 5403.74,3825.05 5366.24,3862.55 5373.74,3870.05 5373.74,3919.21
  pour cut-out: 769.99,496.71 888.33,496.71 936.24,448.8 936.24,335.46 885.41,284.63 777.08,284.63 726.24,335.46 726.24,452.96
  pour cut-out: 5987.91,4489.63 6103.33,4489.63 6149.58,4443.38 6149.58,4325.05 6101.24,4276.71 5987.08,4276.71 5939.16,4324.63 5939.16,4442.13 5986.66,4489.63
  pour cut-out: 5725.41,4496.71 5802.08,4496.71 5857.91,4440.88 5857.91,4361.71 5806.66,4310.46 5722.49,4310.46 5669.58,4363.38 5669.58,4442.55 5724.16,4497.13
  pour cut-out: 5621.24,4195.88 5708.74,4195.88 5766.24,4138.38 5766.24,4050.88 5708.74,3993.38 5622.91,3993.38 5562.08,4054.21 5562.08,4138.38 5620.41,4196.71
  pour cut-out: 5996.66,4580.05 6092.91,4580.05 6092.91,4502.96 5997.08,4502.96 5997.08,4579.63
  pour cut-out: 908.74,4194.21 963.74,4139.21 963.74,4048.38 907.91,3992.55 814.58,3992.55 760.41,4046.71 760.41,4119.21 835.41,4194.21
  pour cut-out: 1402.08,2531.71 1402.08,2135.88 1549.58,2135.88 1549.58,2528.38 1403.74,2528.38
  pour cut-out: 2211.24,2068.38 2211.24,1960.05 2403.74,1960.05 2403.74,2062.96 2220.83,2062.96
  pour cut-out: 5035.41,2355.05 5118.74,2355.05 5118.74,2676.71 5035.41,2676.71
  pour cut-out: 5122.08,3971.71 5694.58,3971.71 5694.58,3804.21 5473.74,3804.21 5473.74,3680.05 5071,3680.05 5071,3973.38 5119.58,3973.38
  pour cut-out: 535.83,4604.21 596.24,4527.55 cw(c576.13,4527.55) 590.35,4513.32 587.08,4510.05 cw(c581.04,4516.08) 581.04,4507.55 501.51,4507.55 cw(c501.51,4530.31) 485.41,4514.21 cw(c491.45,4520.25) 482.91,4520.25 482.91,4527.13 cw(c485.93,4527.13) 483.79,4529.26 487.91,4533.38 530.83,4546.3 530.83,4553.38 519.58,4591.3 cw(c535.67,4591.3) 524.29,4602.68 525.83,4604.21 ccw(c528.85,4607.23) 528.85,4602.96 535.83,4602.96
  pour cut-out: 809.82,4502.55 cw(c809.82,4402.55) 880.53,4473.26 889.58,4464.21 cw(c849.34,4423.98) 906.24,4423.98 906.24,4390.05 cw(c829.79,4390.05) 883.85,4335.99 867.08,4319.21 cw(c832.88,4353.41) 832.88,4305.05 717.08,4305.05 cw(c717.08,4357.35) 680.09,4320.37 668.03,4332.42 cw(c738.74,4403.13) 638.74,4403.13 638.74,4425.88 cw(c689.04,4425.88) 653.48,4461.44 687.08,4495.05 cw(c705.18,4476.94) 705.18,4502.55
  text "i2" at 6027,4562 h40 r180
BottomLayer:
  region net NewNet22: 5452.38,4183.12 5452.38,4223.92 5283.24,4223.92 5283.24,4183.12
  rectangle net NewNet22: 409.58,3056.71 815.41,3310.88
  pour cut-out: 907.49,4200.46 964.16,4143.8 964.16,4052.55 908.74,3997.13 818.33,3997.13 763.33,4052.13 763.33,4144.63 819.16,4200.46
  pour cut-out: 6097.08,4490.05 6148.74,4438.38 6148.74,4326.71 6104.58,4282.55 5990.41,4282.55 5957.08,4315.88 5957.08,4460.88 5986.24,4490.05
  pour cut-out: 5982.91,4580.05 6109.16,4580.05 6109.16,4507.13 5981.66,4507.13 5981.66,4581.71
  pour cut-out: 5165.41,3975.05 5340.41,3975.05 5340.41,3675.05 5166.24,3675.05 5166.24,3976.71
  pour cut-out: 5450.41,3976.71 5516.24,3976.71 5569.58,3923.38 5569.58,3851.71 5517.91,3800.05 5440.41,3800.05 5393.74,3846.71 5393.74,3925.05 5448.74,3980.05
  pour cut-out: 5628.74,4194.63 5615.41,4194.63 5562.91,4142.13 5562.91,4055.88 5622.08,3996.71 5706.24,3996.71 5753.74,4044.21 5753.74,4122.55 5680.83,4195.46 5627.49,4195.46
  pour cut-out: 5557.49,3370.88 5614.16,3370.88 5646.24,3338.8 5646.24,3283.38 5611.24,3248.38 5559.99,3248.38 5534.99,3273.38 5534.99,3347.96 5557.49,3370.46
  pour cut-out: 5687.08,3372.96 5737.08,3372.96 5775.41,3334.63 5775.41,3280.88 5740.41,3245.88 5683.74,3245.88 5646.24,3283.38 5646.24,3335.46 5685.41,3374.63
  pour cut-out: 5558.33,1439.21 5606.66,1439.21 5641.24,1404.63 5674.58,1437.96 5732.91,1437.96 5767.49,1403.38 5767.49,1350.88 5729.58,1312.96 5682.08,1312.96 5649.58,1345.46 5641.24,1345.46 5609.99,1314.21 5555.41,1314.21 5521.24,1348.38 5521.24,1402.13
  pour cut-out: 751.66,480.05 721.24,449.63 721.24,336.3 771.24,286.3 883.74,286.3 932.08,334.63 932.08,447.96 900.83,479.21 754.58,479.21
  pour cut-out: 2300.41,2715.88 2430.83,2585.46 2479.16,2585.46 2484.58,2590.88 2484.58,2764.93 2490.94,2771.3 2565.41,2771.3 2667.91,2668.8 2667.91,2643.38 2609.58,2585.05 2496.24,2585.05 2455.41,2544.21 2382.91,2544.21 2211.24,2715.88
  pour cut-out: 2340.41,1643.38 2340.41,1415.88 2341.24,1415.05 2363.74,1415.05 2396.24,1447.55 2495.41,1447.55 2547.91,1500.05 2547.91,1629.21 2535.41,1641.71 2341.24,1641.71
  pour cut-out: 5099.41,3814.53 5183.43,3814.53 5225.41,3772.55 5225.41,3711.71 5172.91,3659.21 5172.91,3622.55 5129.58,3579.21 5110.41,3579.21 5087.08,3602.55 5087.08,3800.73 5105.58,3819.23
  pour cut-out: 2360.7,2231.71 2360.7,2133.51 2405.41,2088.8 2419.16,2088.8 2458.74,2128.38 2458.74,2174.21 2394.16,2238.8 2366.38,2238.8 2361.58,2234
  pour cut-out: 716.24,4507.55 813.16,4507.55 cw(c813.16,4407.55) 883.87,4478.26 cw(c825.82,4420.21) 907.91,4420.21 907.91,4406.47 cw(c807.91,4406.47) 878.62,4335.76 cw(c812.53,4401.85) 812.53,4308.38 741,4308.38 cw(c741,4408.38) 670.29,4337.67 cw(c736.38,4403.76) 642.91,4403.76 642.91,4410.29 cw(c742.91,4410.29) 672.2,4481 686.61,4495.42 cw(c717.91,4464.12) 717.91,4508.38
  text "bot" at 6003,4564 h40 r180

## Silkscreen, mask and mechanical layers (free items; w line width, h text height)
BottomSolder:
  text "1-2" at 5990,4073 h70 r270
  text "J" at 5814,2958 h70 r270
  text "0443" at 5818,2525 h70 r270
  text "4421" at 5816,2158 h70 r270
  text "0204B" at 5823,1680 h70 r270

## Dimensions
1,4676 to 132,-2 on KeepOutLayer
11,4676 to 6512,4676 on KeepOutLayer